# Allegro board A523-EVB-AXP717C-LPDDR4-4X-32X1-V1-0.brd (continued)
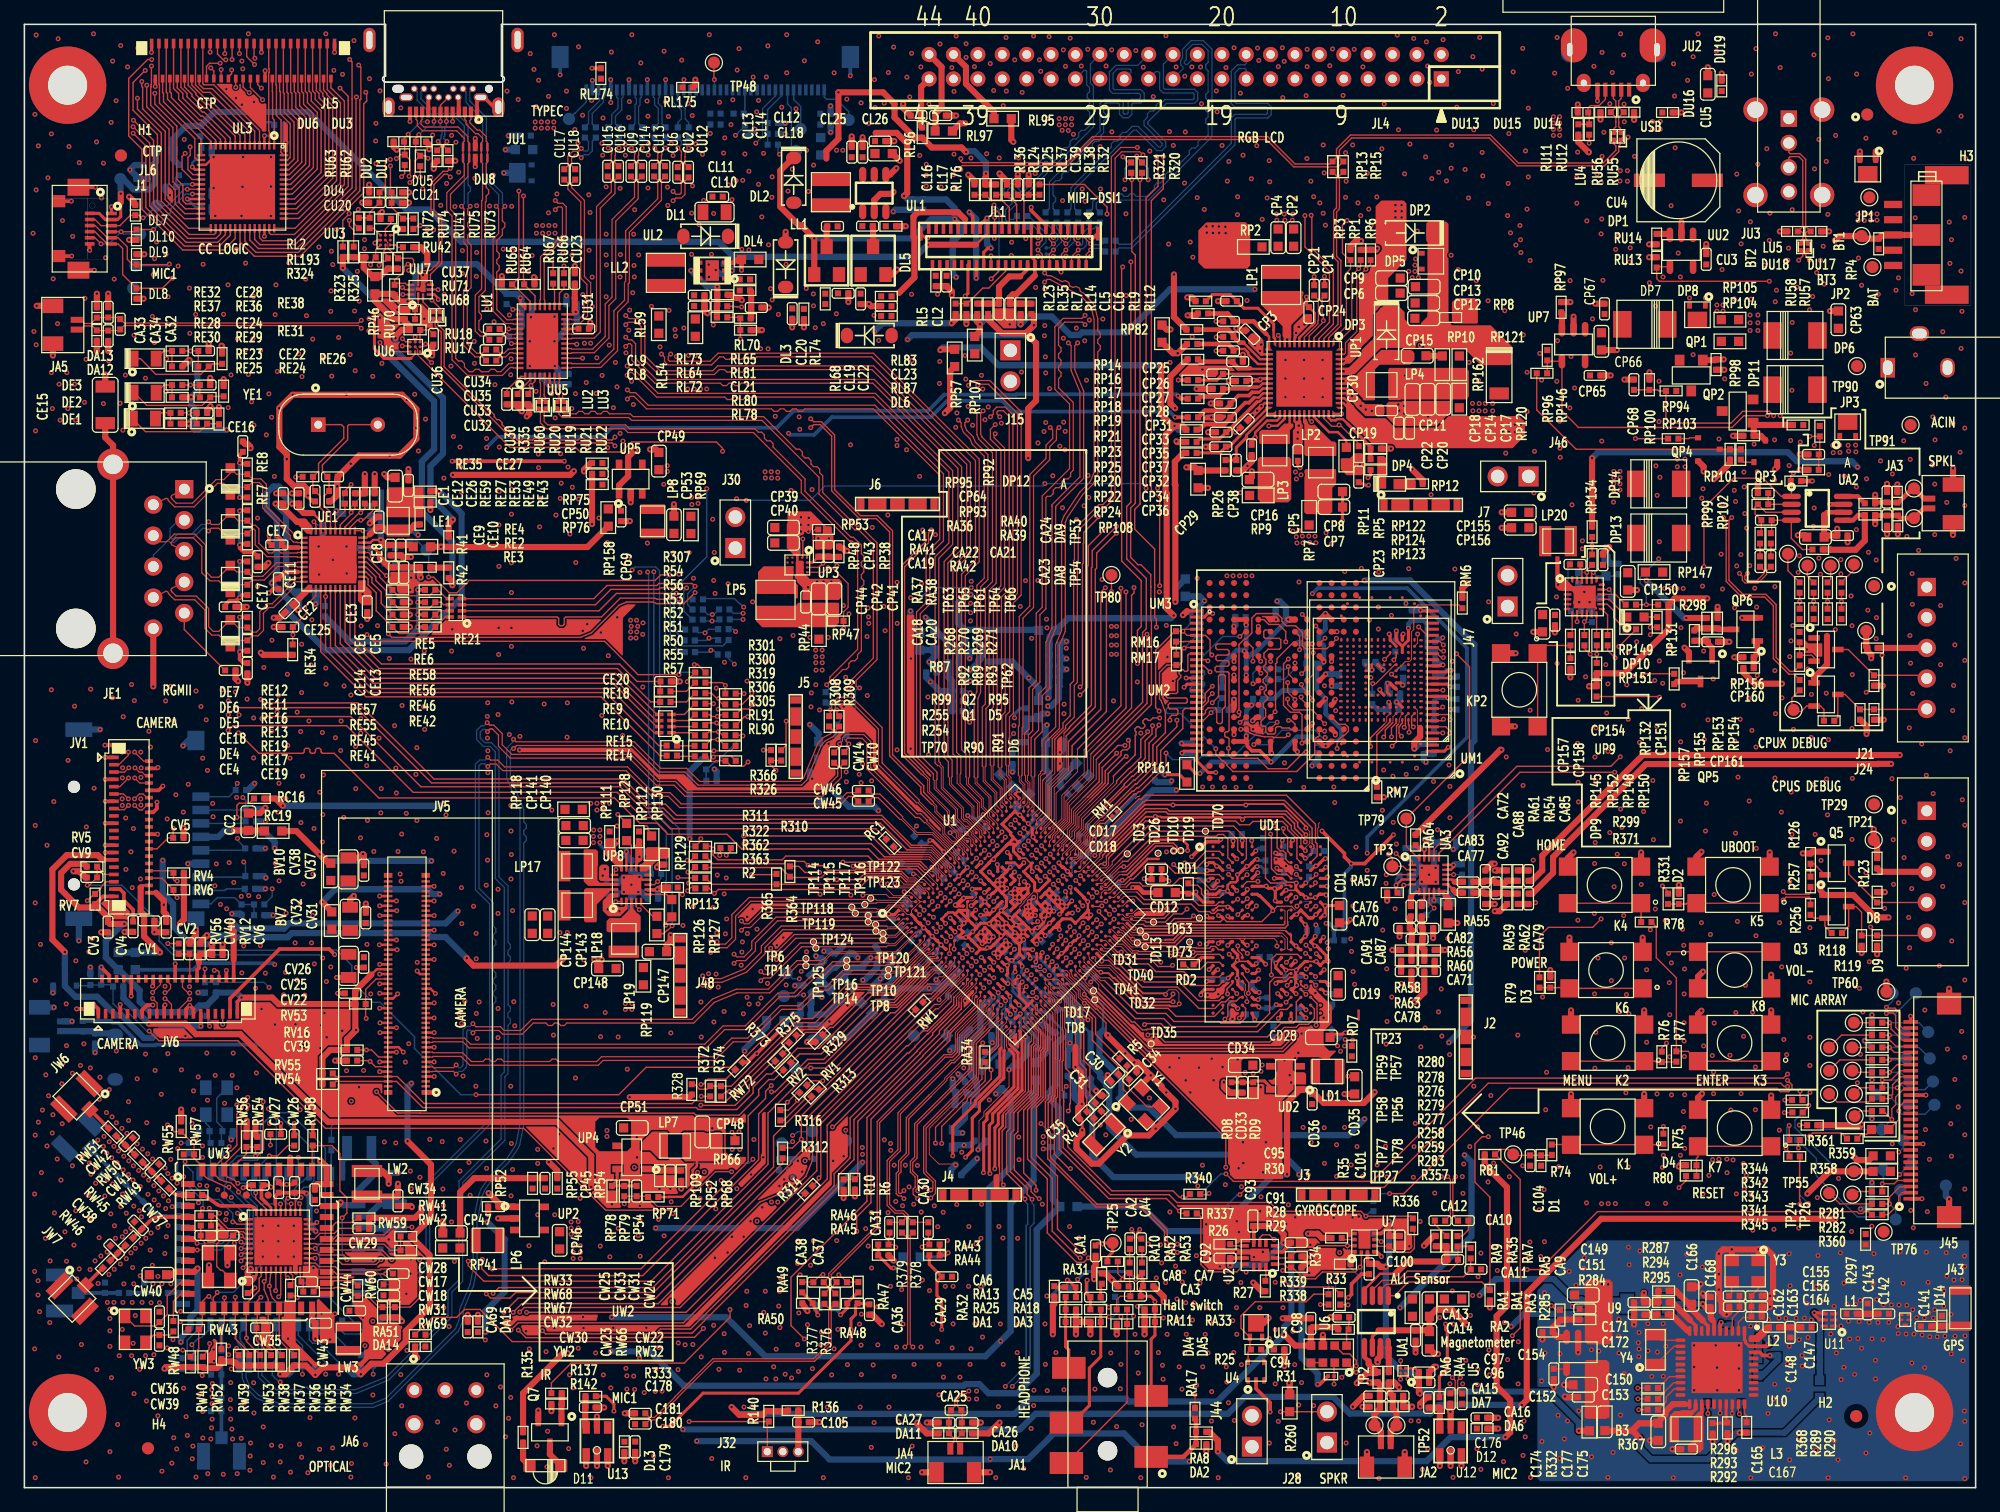
[diagram p0: board, top side]
## Routing (per net, layer and track width the routed paths; a pad name or vN(x,y) marks a point on that pad's centre or on a via; arc(x,y) is an arc through that point) (continued)
MDC: length 37
  TOP w0.114: UE1.13 24.3,68.56 28.01,64.85 47.29,64.85 52.11,60.03 RE14.2
MDI0+: length 17.5
  TOP w0.102: JE1.1 12.07,81.36 12.02,81.23 12.09,81.09 12.44,80.74 13.78,80.74 15.71,82.67 16.35,82.67 16.89,83.21 DE7.1 17.4,83.11 RE8.1 18.66,82.73 19.39,82.73 19.84,82.28 19.84,80.46 22.09,78.21 22.09,77.95 22.2,77.85 22.35,77.85 22.4,77.9 UE1.1
MDI0-: length 17.9
  TOP w0.102: JE1.2 11.61,81.14 11.75,81.09 11.81,80.96 11.81,80.94 12.32,80.43 13.91,80.43 15.84,82.36 16.34,82.36 16.89,81.82 DE7.2 17.52,82.05 RE7.1 18.66,82.43 19.26,82.43 19.54,82.15 19.54,80.34 21.79,78.09 21.79,77.82 22.07,77.54 22.35,77.54 22.4,77.5 UE1.2
MDI1+: length 16.5
  TOP w0.102: v1(15.1,79.21) 15.33,78.99 15.94,78.99 DE6.1 17.52,79.3 RE12.1 18.66,78.92 18.94,78.92 19.23,78.63 19.23,77.44 20.03,76.65 20.33,76.65 20.53,76.85 20.84,76.85 21.04,76.65 22.35,76.65 22.4,76.7 UE1.4
  BOTTOM w0.102: v1(15.1,79.21) 14.88,78.99 14.5,78.99 13.71,78.2 12.57,78.2 12.17,77.8 12.09,77.8 11.94,77.94 11.94,78.64 12.64,79.34 JE1.3
MDI1-: length 16.9
  TOP w0.102: v1(15.1,78.45) 15.33,78.68 15.94,78.68 DE6.2 17.4,78.24 RE11.1 18.66,78.62 18.81,78.62 18.93,78.5 18.93,77.32 19.9,76.34 22.35,76.34 22.4,76.3 UE1.5
  BOTTOM w0.102: JE1.6 10.57,76.47 11.73,77.63 11.83,77.63 11.96,77.5 12.3,77.5 12.7,77.89 13.84,77.89 14.63,78.68 14.88,78.68 v1(15.1,78.45)
MDI2+: length 16.8
  TOP w0.102: UE1.6 22.4,75.9 22.35,75.85 20.66,75.85 19.54,74.73 18.66,74.73 RE16.1 17.4,75.11 DE5.1 15.94,74.67 15.34,74.67 14.86,75.15 14.86,77.31 13.97,78.2 12.28,78.2 11.65,77.57 11.08,77.57 JE1.4
MDI2-: length 16.4
  TOP w0.102: UE1.7 22.4,75.5 22.35,75.54 20.79,75.54 19.67,74.43 18.66,74.43 RE13.1 17.52,74.05 DE5.2 15.94,74.36 15.21,74.36 14.55,75.02 14.55,77.18 13.84,77.89 12.41,77.89 12.01,77.49 12.01,77.49 12.07,77.33 JE1.5
MDI3+: length 18.3
  TOP w0.102: JE1.7 12.07,73.74 12.02,73.61 12.09,73.47 12.44,73.12 14.09,73.12 15.11,72.1 15.11,70.6 15.48,70.22 15.94,70.22 DE4.1 17.52,70.53 RE19.1 18.66,70.16 19.03,70.16 19.3,70.43 19.3,71.85 19.94,72.48 20.31,72.48 21.59,73.76 21.59,74.17 22.01,74.6 22.82,74.6 UE1.9
MDI3-: length 18.5
  TOP w0.102: UE1.10 22.14,74.3 21.89,74.05 21.89,73.63 20.44,72.18 20.06,72.18 19.6,71.72 19.6,70.3 19.16,69.85 18.66,69.85 RE17.1 17.4,69.48 DE4.2 15.94,69.92 15.36,69.92 14.8,70.47 14.8,71.98 13.97,72.81 12.32,72.81 11.81,73.32 11.81,73.34 11.75,73.47 11.61,73.52 JE1.8
MDIO: length 37
  TOP w0.114: UE1.14 v1(24.7,73.08) 24.7,68.73 28.23,65.2 47.66,65.2 52.01,60.86 RE15.2
  BOTTOM w0.114: RE39.2 24.64,72.29 24.64,73.02 v1(24.7,73.08)
MIC1N-MIC: length 137.9
  TOP w0.102: JA5.2 4.65,94.97 4.95,95.27 5.57,95.27 DA12.2 5.95,94.89 CA34.1 7.77,94.89 CA32.2 8.18,95.31 27.39,95.31 v1(27.62,95.08) ; v1(65.48,17.48) 65.32,17.48 CA38.2 64.68,16.86 RA49.2
  L3 w0.102: v1(65.48,17.48) 65.84,17.48 65.96,17.6 65.96,17.86 65.86,17.96 65.01,17.96 63.52,16.47 43.92,16.47 39.21,21.18 39.21,68.14 39.38,68.31 39.38,86.15 34.2,91.33 34.2,93.35 32.26,95.3 27.84,95.3 v1(27.62,95.08)
MIC1P-MIC: length 138.3
  TOP w0.102: v1(66.78,17.45) 66.84,17.45 CA37.2 67.46,16.86 RA47.2 ; v1(27.62,95.73) 27.39,95.51 8.18,95.51 CA32.1 7.73,95.96 CA33.2 5.96,95.96 DA13.2 5.47,95.47 4.94,95.47 4.64,95.77 JA5.1
  L3 w0.102: v1(66.78,17.45) 66.32,17.45 66.17,17.6 66.17,17.94 65.95,18.16 64.92,18.16 63.44,16.68 44,16.68 39.41,21.27 39.41,68.06 39.58,68.23 39.58,86.23 34.4,91.41 34.4,93.44 32.34,95.5 27.85,95.5 v1(27.62,95.73)
MIC2N-MIC: length 23.5
  TOP w0.102: CA31.2 70.94,20.51 70.86,20.43 RA46.2 71.25,19.92 v1(71.45,19.71) ; JA4.2 76.73,3.48 76.43,3.78 76.43,4.01 DA10.2 CA26.1 76.91,5.38 76.91,6.27 CA25.2 76.5,6.67 76.5,7.24 76.76,7.49 77.22,7.49 v1(77.44,7.27)
  L4 w0.102: v1(77.44,7.27) 77.22,7.49 76,7.49 73.93,9.56 73.93,13.03 72.42,14.55 72.42,19.57 72.27,19.71 v1(71.45,19.71)
MIC2P-MIC: length 23.5
  TOP w0.102: v1(73.61,19.74) 73.81,19.94 RA43.2 74.2,20.24 74.12,20.32 74.12,20.51 74.12,20.51 CA30.2 ; JA4.1 75.93,3.46 76.23,3.76 76.23,4.03 DA11.2 CA27.2 75.81,6.18 CA25.1 76.3,6.67 76.3,7.32 76.67,7.7 77.22,7.7 v1(77.44,7.92)
  L4 w0.102: v1(77.44,7.92) 77.22,7.7 76.08,7.7 74.14,9.64 74.14,13.11 72.62,14.63 72.62,19.59 72.76,19.74 v1(73.61,19.74)
MIC-GND-SEL: length 57.9
  TOP w0.076: UU6.B2 32.24,93.36 32.24,92.89 32.49,92.64
  TOP w0.114: 32.49,92.64 39.83,85.31 45.2,85.31 45.57,84.93 48.96,84.93 49.78,85.75 56.74,85.75 57.25,85.24 v1(57.25,84.99) ; v1(60.59,60.49) R366.2
  L4 w0.114: v1(60.59,60.49) 59.63,61.45 59.63,62.01 58.65,62.99 58.65,64.96 58.64,64.97 58.64,65.27 58.65,65.28 58.65,65.79 55.45,68.99 55.45,70.25 56.01,70.81 56.01,79.94 57.25,81.18 v1(57.25,84.99)
MICIN1N: length 30
  TOP w0.076: U1.AA1 78.33,39.85 78.33,39.32 76.33,37.32 76.33,35.84 76.29,35.8 76.29,35.79
  TOP w0.102: R377.2 65.96,16.27 65.96,16.42 CA38.1 65.96,17.26 65.96,17.55 69.93,21.52 69.93,30.02 75.41,35.51 76.02,35.51 76.29,35.79
MICIN1N-1: length 21.1
  TOP w0.102: C181.1 51.26,5.75 51.67,5.75 53.37,7.45 53.37,7.48 56.46,10.57 64.71,10.57 65.95,11.81 65.95,14.73 R377.1
MICIN1P: length 30.4
  TOP w0.076: 76.48,35.68 76.51,35.72 76.51,37.25 78.51,39.24 78.51,39.67 78.75,39.92 U1.AA2
  TOP w0.102: 76.48,35.68 76.1,35.31 75.5,35.31 70.13,29.94 70.13,21.44 66.16,17.47 66.16,17.28 CA37.1 66.17,16.41 66.17,16.25 R376.2
MICIN1P-1: length 21.4
  TOP w0.102: R376.1 66.15,14.73 66.15,11.72 64.8,10.36 56.54,10.36 53.57,7.39 53.57,7.37 51.75,5.55 51.26,5.55 C180.1
MICIN2N: length 23.4
  TOP w0.076: 76.68,36.26 76.68,36.35 76.69,36.36 76.69,37.14 78.68,39.13 78.68,39.39 78.75,39.46 U1.AB1
  TOP w0.102: CA31.1 R379.2 72.2,22 72.2,22.34 72.03,22.5 71.38,22.5 70.74,23.15 70.74,26.83 71.63,27.72 71.63,30.73 75.95,35.05 76.18,35.05 76.68,35.55 76.68,36.26
MICIN2N-1: length 58.6
  TOP w0.102: v1(72.2,11.53) 72.43,11.76 72.43,20.44 R379.1 ; v1(117.1,9.02) 117.32,8.8 117.32,8.13 C177.1
  L3 w0.102: v1(72.2,11.53) 72.44,11.29 72.44,10.9 72.87,10.47 108.52,10.47 109.17,11.13 113.19,11.13 114.05,10.27 116.73,10.27 117.3,9.7 117.3,9.22 v1(117.1,9.02)
MICIN2P: length 24.1
  TOP w0.076: U1.AB2 79.11,39.56 78.86,39.31 78.86,39.06 76.87,37.07 76.87,36.27 76.88,36.26
  TOP w0.102: 76.88,36.26 76.88,35.46 76.27,34.85 76.03,34.85 71.83,30.65 71.83,27.64 70.94,26.75 70.94,23.23 71.47,22.71 72.11,22.71 72.47,22.35 72.47,22.14 R378.2 CA30.1
MICIN2P-1: length 58.5
  TOP w0.102: C175.1 117.53,8.09 117.53,8.8 v1(117.75,9.02) ; v1(72.85,11.53) 72.63,11.75 72.63,20.7 R378.1
  L3 w0.102: v1(117.75,9.02) 117.5,9.27 117.5,9.79 116.82,10.47 114.13,10.47 113.28,11.33 109.08,11.33 108.43,10.68 72.96,10.68 72.64,10.99 72.64,11.32 v1(72.85,11.53)
MICIN3N: length 41.6
  TOP w0.076: U1.AC1 79.01,39.12 79.01,38.89 77.24,37.12 77.08,36.96 77.08,35.21 75.46,33.59 75.46,33.47 74.22,32.22 74.2,32.22 74.19,32.21
  TOP w0.102: v1(91.45,21.17) 91.22,20.95 91.22,20.56 91.37,20.42 CA4.1 ; 74.19,32.21 72.31,30.34 72.31,27.43 71.68,26.8 71.68,25.97 71.48,25.77 71.48,24.11 71.67,23.92 71.9,23.92 v1(72.12,23.7)
  L3 w0.102: v1(91.45,21.17) 91.22,20.95 91.22,20.76 91,20.54 89,20.54 88.71,20.84 74.51,20.84 72.36,22.98 72.36,23.6 72.26,23.7 v1(72.12,23.7)
MICIN3P: length 41.6
  TOP w0.076: 74.33,32.07 74.35,32.08 74.35,32.1 75.64,33.39 75.64,33.52 77.26,35.13 77.26,36.89 79.19,38.82 79.19,38.94 79.46,39.21 U1.AC2
  TOP w0.102: 74.33,32.07 72.52,30.25 72.52,27.35 71.88,26.71 71.88,25.88 71.69,25.69 71.69,24.19 71.75,24.13 71.89,24.13 v1(72.12,24.36) ; CA2.1 90.88,20.42 91.02,20.56 91.02,20.95 v1(90.79,21.17)
  L3 w0.102: v1(90.79,21.17) 91.02,20.95 91.02,20.85 90.92,20.74 89.09,20.74 88.79,21.04 74.6,21.04 72.57,23.07 72.57,23.91 v1(72.12,24.36)
MIPI-DSI1-CKN: length 52.5
  TOP w0.076: 82.85,58.38 82.85,58.36 82.78,58.29 82.78,55.62 U1.E29
  TOP w0.102: v1(85.39,102.01) 84.96,102.44 JL1.9 ; 82.85,58.38 82.85,61.38 83.46,61.99 83.46,64.95 84.07,65.55 84.07,69.27 84.56,70.47 84.56,80.35 84.57,80.35 84.57,80.48 86.86,82.77 86.86,89.93 86.13,91.68 86.13,93.65 v1(86.36,93.88)
  L4 w0.102: v1(86.36,93.88) 86.13,94.12 86.13,94.45 85.55,95.84 85.55,97.87 86.03,98.35 86.03,101.37 v1(85.39,102.01)
  BOTTOM w0.102: RL29.1 85.78,103.49 85.78,102.31 85.47,102.01 v1(85.39,102.01)
MIPI-DSI1-CKP: length 53
  TOP w0.076: U1.E28 82.29,55.47 82.39,55.58 82.39,55.58 82.63,55.81 82.63,58.29 82.54,58.38
  TOP w0.102: JL1.8 85.26,100.62 85.04,100.84 85.04,101.14 v1(85.39,101.5) ; v1(85.61,93.88) 85.83,93.66 85.83,91.62 86.55,89.87 86.55,82.89 84.26,80.6 84.26,80.48 84.26,80.47 84.26,70.54 83.76,69.33 83.76,65.68 83.16,65.08 83.16,62.12 82.54,61.5 82.54,58.38
  L4 w0.102: v1(85.39,101.5) 85.51,101.5 85.75,101.26 85.75,98.46 85.27,97.98 85.27,95.79 85.85,94.39 85.85,94.12 v1(85.61,93.88)
  BOTTOM w0.102: v1(85.39,101.5) 86.08,102.18 86.08,103.41 RL28.1
MIPI-DSI1-DN0: length 51.9
  TOP w0.076: U1.C29 82.04,56.28 82.04,57.66 81.73,57.96 81.73,58.35 81.81,58.43
  TOP w0.102: 81.81,58.43 81.81,62.3 81.88,62.37 81.88,71.32 82.75,72.18 82.75,82.96 84.07,84.29 84.07,85.37 84.63,85.92 84.63,86.73 v1(84.83,86.94) ; JL1.3 86.76,102.67 v1(87.43,102.01)
  L4 w0.102: v1(87.43,102.01) 88.06,101.37 88.06,94.27 85.37,91.57 85.37,89.69 84.63,88.95 84.63,87.18 84.83,86.97 v1(84.83,86.94)
  BOTTOM w0.102: RL22.1 88.3,101.93 87.5,101.93 v1(87.43,102.01)
MIPI-DSI1-DN1: length 56.5
  TOP w0.076: 82.32,58.45 82.32,58.44 82.25,58.37 82.25,58 82.45,57.8 82.45,56.05 82.29,55.89 U1.D29
  TOP w0.102: 82.32,58.45 82.32,61.72 82.68,62.08 82.68,65.46 83.27,66.05 83.27,71.58 83.76,72.07 83.76,74.11 83.76,74.11 83.76,74.66 83.76,74.67 83.76,81.2 83.86,81.3 84.14,81.3 84.36,81.51 84.36,81.79 84.57,82.01 84.86,82.01 85.07,82.23 85.07,82.51 85.29,82.72 85.57,82.72 85.79,82.94 85.79,83.22 86,83.44 86,89 84.8,90.2 84.8,90.95 85,91.15 85,91.46 84.8,91.66 84.8,91.96 85,92.16 85,92.47 84.8,92.67 84.8,92.97 85,93.17 85,93.48 84.8,93.68 84.8,95.08 85.31,95.59 86.76,95.59 v1(86.97,95.38) ; v1(86.41,101.5) 85.99,101.08 85.86,100.76 JL1.6
  L4 w0.102: v1(86.41,101.5) 86.52,101.5 86.77,101.26 86.77,97.71 86.54,97.48 86.19,96.64 86.19,95.87 86.45,95.6 86.75,95.6 v1(86.97,95.38)
  BOTTOM w0.102: v1(86.41,101.5) 86.51,101.6 86.81,101.6 87.09,101.88 87.09,102.74 87.6,103.25 87.7,103.25 88.19,103.74 RL27.1
MIPI-DSI1-DN2: length 55.7
  TOP w0.102: JL1.12 84.06,100.81 84.02,100.84 84.02,101.14 v1(84.38,101.5) ; U1.E25 81.21,54.06 v1(80.89,54.39)
  L4 w0.102: v1(80.89,54.39) 80.89,58.04 81.64,58.79 81.64,62.22 81.54,62.31 81.54,71.61 82.06,72.13 82.06,72.97 81.39,73.65 81.39,81.32 83.8,83.73 83.8,85.49 82.91,86.39 82.91,89.88 84.15,91.13 84.15,95.22 84.38,95.45 84.38,96.32 84.2,96.5 84.2,96.8 84.38,96.98 84.38,97.28 84.2,97.46 84.2,97.76 84.38,97.94 84.38,100.41 84.71,100.74 84.71,101.17 v1(84.38,101.5)
  BOTTOM w0.102: TP72.1 84.05,101.17 v1(84.38,101.5) 85.04,102.16 85.04,102.88 84.63,103.28 RL31.1
MIPI-DSI1-DN3: length 56.8
  TOP w0.076: U1.F28 82.64,55.12 83.16,55.63 83.16,58.41 83.32,58.57 83.32,58.68 83.34,58.69
  TOP w0.102: v1(83.11,102.01) 83.46,102.36 83.46,102.66 83.16,102.97 JL1.15 ; v1(83.65,98.86) 83.88,99.09 84.09,99.09 86.67,97.71 87.38,96.93 87.48,96.73 87.71,95.82 87.71,83.26 87.39,82.49 86.55,81.65 85.26,79.71 85.05,79.21 85.05,70.29 84.56,69.12 84.56,62.39 83.45,61.27 83.45,58.8 83.34,58.69
  L4 w0.102: v1(83.65,98.86) 83.42,99.1 83.15,99.1 82.74,99.38 82.42,100.15 82.42,101.64 82.69,101.9 83.01,101.9 v1(83.11,102.01)
  BOTTOM w0.102: RL34.1 82.45,103.61 82.59,103.61 83.46,102.74 83.46,102.29 83.19,102.01 v1(83.11,102.01)
MIPI-DSI1-DP0: length 51.7
  TOP w0.076: 81.51,58.43 81.51,58.42 81.58,58.35 81.58,57.9 81.88,57.59 81.88,56.48 81.69,56.29 81.69,55.93 U1.C28
  TOP w0.102: v1(87.43,101.5) 87.06,101.13 JL1.2 ; 81.51,58.43 81.51,62.43 81.58,62.5 81.58,71.44 82.44,72.31 82.44,83.09 83.77,84.41 83.77,85.5 84.32,86.05 84.32,86.73 v1(84.11,86.94)
  L4 w0.102: v1(87.43,101.5) 87.78,101.14 87.78,94.38 86.4,93 86.15,93 85.94,92.79 85.94,92.54 85.09,91.69 85.09,89.8 84.35,89.06 84.35,87.18 v1(84.11,86.94)
  BOTTOM w0.102: v1(87.43,101.5) 87.55,101.63 88.37,101.63 RL21.1
MIPI-DSI1-DP1: length 55.8
  TOP w0.076: 82.01,58.45 82.09,58.37 82.09,57.94 82.29,57.74 82.29,56.19 81.94,55.83 U1.D28
  TOP w0.102: v1(86.97,96.14) 86.73,95.89 85.18,95.89 84.5,95.2 84.5,90.07 85.7,88.87 85.7,83.57 83.46,81.32 83.46,74.54 83.46,74.54 83.46,74.24 83.46,74.24 83.46,72.2 82.97,71.71 82.97,66.18 82.37,65.58 82.37,62.2 82.01,61.84 82.01,58.45 ; JL1.5 86.16,102.77 86.06,102.66 86.06,102.36 v1(86.41,102.01)
  L4 w0.102: v1(86.41,102.01) 87.05,101.37 87.05,97.59 86.77,97.32 86.47,96.59 86.47,95.98 86.57,95.88 86.71,95.88 v1(86.97,96.14)
  BOTTOM w0.102: v1(86.41,102.01) 86.51,101.9 86.68,101.9 86.78,102.01 86.78,102.86 87.3,103.38 RL26.1
MIPI-DSI1-DP2: length 55.5
  TOP w0.102: v1(81.24,54.75) U1.E26 ; JL1.11 84.36,103 84.02,102.66 84.02,102.36 v1(84.38,102.01)
  L4 w0.102: v1(84.38,102.01) 84.99,101.4 84.99,100.63 84.66,100.3 84.66,95.33 84.43,95.11 84.43,91.01 83.19,89.77 83.19,86.5 84.08,85.61 84.08,83.61 81.67,81.21 81.67,73.76 82.34,73.09 82.34,72.02 81.82,71.5 81.82,62.43 81.92,62.34 81.92,58.67 81.17,57.93 81.17,54.83 v1(81.24,54.75)
  BOTTOM w0.102: RL30.1 84.73,102.75 84.73,102.36 v1(84.38,102.01) 84.05,101.68 TP71.1
MIPI-DSI1-DP3: length 57.7
  TOP w0.076: U1.F29 83.31,55.44 83.31,58.34 83.5,58.53 83.6,58.53
  TOP w0.102: JL1.14 83.46,100.84 83.46,100.84 83.46,101.14 v1(83.11,101.5) ; v1(83.65,99.62) 83.89,99.39 84.17,99.39 85.08,98.9 85.35,98.98 85.62,98.84 85.7,98.57 85.97,98.43 86.24,98.51 86.51,98.36 86.6,98.09 86.86,97.95 87.63,97.11 87.77,96.84 88.02,95.86 88.02,94.86 88.22,94.66 88.22,94.36 88.02,94.15 88.02,93.85 88.22,93.65 88.22,93.34 88.02,93.14 88.02,83.2 87.65,82.32 86.79,81.46 85.53,79.57 85.35,79.15 85.35,70.23 84.87,69.06 84.87,62.26 83.75,61.15 83.75,58.67 83.6,58.53
  L4 w0.102: v1(83.11,101.5) 82.98,101.63 82.8,101.63 82.7,101.52 82.7,100.2 82.97,99.56 83.23,99.38 83.42,99.38 v1(83.65,99.62)
  BOTTOM w0.102: RL33.1 82.35,104.29 83.77,102.87 83.77,102.16 v1(83.11,101.5)
NALE: length 49
  TOP w0.076: U1.T27 85.83,51.23 86.13,51.54 86.34,51.54 86.59,51.78 86.59,52.26 87.19,52.86 87.19,53.43 87.81,54.05 87.81,54.31 88.21,54.71 88.41,54.71
  TOP w0.102: UM1.U5 112.38,67.49 110.82,65.94 v1(110.56,65.94)
  TOP w0.114: v1(97.41,65.12) 97.08,64.79 97.08,64.48 96.5,63.9 UM3.17 95.17,63.9 94.99,63.71 94.99,62.26 93.17,60.44 93.17,59.2 91.36,57.4 91.23,57.4 90.95,57.11 90.82,57.11 88.41,54.71 ; UM2.G5 104.69,64.69 v1(104.69,64.85) ; UM2.L9 101.18,67.95 v1(101.37,67.77)
  L4 w0.114: v1(110.56,65.94) 110.25,65.94 109.84,66.35 109.26,66.35 109.15,66.24 109.15,65.61 109.03,65.5 108.8,65.5 108.69,65.61 108.69,66.24 108.58,66.35 108.35,66.35 108.23,66.24 108.23,65.61 108.12,65.5 107.89,65.5 107.77,65.61 107.77,66.24 107.66,66.35 106.09,66.35 104.69,64.95 v1(104.69,64.85) ; v1(104.69,64.85) 104.51,65.03 102.95,65.03 101.64,66.34 101.32,66.34 101.24,66.42 101.24,66.42 101.03,66.63 101.03,66.64 101,66.66 101,67.4 v1(101.37,67.77) ; v1(104.69,64.85) 104.69,64.66 104.14,64.11 102.4,64.11 101.52,64.99 100.22,64.99 99.42,65.79 98.08,65.79 v1(97.41,65.12)
  BOTTOM w0.114: v1(110.56,65.94) 110.52,65.89 RM8.1
NCE0: length 35.2
  TOP w0.114: UM3.9 96.95,67.9 v1(97.04,67.8) ; U1.N24 83.39,51.19 v1(83.39,51.23) ; v1(104.73,66.75) 105.17,67.19 UM2.K5
  L4 w0.076: 85.39,54.15 85.39,53.92 83.39,51.93 v1(83.39,51.23)
  L4 w0.114: 97.03,67.81 v1(97.04,67.8) ; 97.03,67.81 96.95,67.9 94.28,67.9 86.78,60.4 86.78,56.39 85.39,55 85.39,54.15 ; 97.03,67.81 97.03,68.42 97.23,68.62 99.25,68.62 99.64,68.24 102.21,68.24 103.69,66.75 v1(104.73,66.75)
NCE1: length 31.3
  TOP w0.102: v1(101.44,65.57) 101.18,65.32 UM2.H9
  TOP w0.114: v1(97.22,66.9) 96.72,67.4 UM3.10 ; v1(83.76,51.59) 83.76,51.53 U1.N25
  L4 w0.076: v1(83.76,51.59) 83.76,52.04 85.71,53.99 85.71,54.15
  L4 w0.114: 85.71,54.15 85.71,54.86 87.1,56.25 87.1,60.19 94.12,67.21 96.91,67.21 v1(97.22,66.9) 97.83,66.29 99.73,66.29 100.47,65.54 101.41,65.54 v1(101.44,65.57)
  BOTTOM w0.114: v1(101.44,65.57) 101.64,65.57 101.96,65.89 RM2.1
NCLE: length 38.3
  TOP w0.114: UM2.G6 v1(104.18,64.63) 103.58,65.24 v1(103.58,66.03) ; v1(102.18,67.75) UM2.L8 ; UM3.16 96.7,64.4 96.82,64.52 96.82,65.14 v1(97.41,65.72) ; U1.N26 84.12,51.88 v1(84.12,51.95)
  L4 w0.076: 86.02,54.15 86.02,53.86 v1(84.12,51.95)
  L4 w0.114: v1(102.18,67.75) 102.18,67.41 103.25,66.34 103.26,66.34 v1(103.58,66.03) ; 86.02,54.15 86.02,54.72 87.43,56.12 87.43,60 94.32,66.89 96.72,66.89 97.41,66.2 v1(97.41,65.72) 97.71,66.02 99.55,66.02 100.36,65.21 101.75,65.21 102.66,64.3 103.73,64.3 104.06,64.63 v1(104.18,64.63)
NDQ0: length 68.9
  TOP w0.076: 111.48,62.59 111.71,62.82 111.71,63.22 UM1.J6 ; 86.82,56.59 85.86,55.63 85.86,54.54 85.19,53.87 85.19,53.43 84.41,52.65 U1.M27
  TOP w0.114: UM2.F3 107.77,62.6 108.31,62.6 108.57,62.35 108.57,62.03 108.21,61.67 108.1,61.67 107.64,61.21 v1(107.64,60.62) ; 86.82,56.59 88.13,57.89 88.13,59.32 89.67,60.87 v1(90.24,60.87) ; UM2.M11 97.8,69.19 97.69,69.08 97.69,68.85 97.8,68.73 98.67,68.73 98.78,68.62 98.78,68.39 98.67,68.28 97.82,68.28 97.7,68.16 97.7,67.93 97.82,67.82 98.67,67.82 98.78,67.7 98.78,67.48 98.67,67.36 97.75,67.36 97.64,67.25 97.64,67.02 97.75,66.9 98.67,66.9 98.78,66.79 98.78,62.1 98.67,61.98 98.54,61.98 98.42,61.87 98.42,61.64 98.54,61.53 98.67,61.53 98.78,61.41 98.78,60.68 v1(98.73,60.63) 98.73,60.1 99.03,59.81 101.13,59.81 101.98,58.96 103.55,58.96 104.94,60.34 v1(105.1,60.34) ; UM3.29 116.55,62.4 116.87,62.08 v1(116.87,61.87) ; v1(110.39,60.78) 110.39,61.5 111.48,62.59
  L4 w0.114: v1(116.87,61.87) 116.83,61.87 115.2,60.24 110.93,60.24 v1(110.39,60.78) 107.81,60.78 v1(107.64,60.62) 107.52,60.5 105.26,60.5 v1(105.1,60.34) ; v1(90.24,60.87) 90.25,60.86 90.25,60.65 90.5,60.4 91.09,60.4 91.2,60.52 91.2,61.02 91.32,61.14 91.54,61.14 91.66,61.02 91.66,60.76 91.77,60.65 92,60.65 92.12,60.76 92.12,61.02 92.23,61.14 92.46,61.14 92.57,61.02 92.57,60.76 92.69,60.65 92.92,60.65 93.03,60.76 93.03,61.02 93.15,61.14 93.37,61.14 93.49,61.02 93.49,60.76 93.6,60.65 95.16,60.65 95.28,60.53 95.28,59.87 95.36,59.78 96.56,59.78 96.68,59.89 96.68,60.13 96.79,60.25 98.35,60.25 v1(98.73,60.63)
NDQ1: length 58
  TOP w0.076: 87.19,56.63 86.01,55.45 86.01,54.47 85.52,53.98 85.52,53.48 84.76,52.73 U1.M28
  TOP w0.114: v1(112.1,61.57) 112.1,62.31 112.49,62.7 UM1.H5 ; 87.19,56.63 87.19,56.63 88.37,57.81 88.37,59.03 v1(89.56,60.22) ; UM2.M10 100.42,69.19 100.74,68.87 v1(100.74,67.77) ; UM3.30 116.24,62.9 116.36,63.01 v1(116.36,63.01) ; v1(103.58,64.67) 103.58,64.25 104.05,63.78 105.59,63.78 UM2.F4 106.18,63.09 v1(106.62,62.65)
  L4 w0.114: v1(100.74,67.77) 100.68,67.71 100.68,66.53 100.71,66.51 100.71,66.5 101.14,66.07 101.51,66.07 102.91,64.67 v1(103.58,64.67) ; v1(116.36,63.01) 116.28,63.01 116.24,63.05 115.82,63.05 114.02,61.25 112.75,61.25 112.43,61.57 v1(112.1,61.57) 111.54,62.13 110.17,62.13 110.06,62.24 110.06,62.7 109.95,62.82 109.72,62.82 109.6,62.7 109.6,62.24 109.49,62.13 109.26,62.13 109.15,62.24 109.15,62.7 109.03,62.82 108.8,62.82 108.69,62.7 108.69,62.24 108.57,62.13 108.35,62.13 108.23,62.24 108.23,62.6 108.12,62.71 106.68,62.71 v1(106.62,62.65) 106.27,62.31 106.27,61.03 105.96,60.72 101.73,60.72 100.13,59.12 100.11,59.12 100.07,59.07 94.74,59.07 94.62,58.96 94.62,58.44 94.51,58.32 94.28,58.32 94.16,58.44 94.16,58.96 94.05,59.07 89.96,59.07 89.56,59.48 v1(89.56,60.22)
NDQ2: length 70.7
  TOP w0.076: U1.N27 84.76,52.29 85.07,52.6 85.07,52.81 85.7,53.45 85.7,53.88 86.17,54.34 86.17,55.34 87.42,56.59 ; UM1.J5 112.22,63.22 112.22,62.76 112.14,62.69
  TOP w0.114: UM3.31 116.79,63.4 116.9,63.28 v1(116.9,62.99) ; v1(111.46,61.55) 111.59,61.68 111.59,62.13 112.14,62.69 ; 87.42,56.59 88.62,57.79 88.62,58.77 89.92,60.07 89.92,60.37 90.06,60.5 90.43,60.5 90.62,60.7 90.62,61.18 90.53,61.28 v1(90.53,61.29) ; v1(99.67,69.8) 100.06,70.19 UM2.N10 ; v1(97.69,60.6) 97.69,60.14 98.24,59.59 98.32,59.59 98.6,59.32 98.6,59.23 99.11,58.73 104.33,58.73 105.8,60.2 105.8,61.35 106.02,61.57 106.1,61.57 106.18,61.66 UM2.E4 106.34,62.04 v1(106.61,62.04)
  L4 w0.114: v1(106.61,62.04) 107.29,62.04 107.31,62.06 108.14,62.06 108.35,61.86 111.15,61.86 v1(111.46,61.55) 111.8,61.21 112.42,61.21 112.64,60.99 114.47,60.99 116.09,62.6 116.51,62.6 v1(116.9,62.99) ; v1(97.69,60.6) 97.92,60.82 97.92,61.34 97.8,61.46 90.7,61.46 v1(90.53,61.29)
  BOTTOM w0.114: v1(97.69,60.6) 94.81,63.48 93.74,63.48 93.62,63.6 93.62,63.82 93.74,63.94 95.97,63.94 96.09,64.05 96.09,64.63 96.2,64.75 96.66,64.75 96.77,64.86 96.77,65.09 96.66,65.2 95.67,65.2 95.55,65.32 95.55,65.55 95.67,65.66 96.66,65.66 96.77,65.77 96.77,66 96.66,66.12 95.77,66.12 95.66,66.23 95.66,66.46 95.77,66.57 96.66,66.57 96.77,66.69 96.77,66.92 96.66,67.03 96.2,67.03 96.09,67.15 96.09,67.64 98.25,69.8 v1(99.67,69.8)
NDQ3: length 59.3
  TOP w0.076: U1.N28 85.22,52.4 85.22,52.75 85.9,53.43 85.9,53.79 86.32,54.22 86.32,55.2 87.36,56.24
  TOP w0.114: UM2.D5 104.9,61.19 v1(104.76,61.05) 104.76,63.39 104.56,63.59 103.8,63.59 103.25,64.14 103.25,67.56 v1(103.64,67.96) ; v1(116.3,64.01) 116.18,63.9 UM3.32 ; 87.36,56.24 88.87,57.75 88.87,58.57 90.27,59.97 v1(90.35,59.97) ; v1(112.92,61.62) 112.92,61.67 112.71,61.87 112.71,62.38 112.84,62.51 112.84,62.56 112.99,62.71 UM1.H4 ; v1(103.43,69.37) 103.43,70.21 102.84,70.79 102.03,70.79 101.63,71.19 UM2.P9
  L4 w0.114: v1(103.64,67.96) 103.43,68.17 v1(103.43,69.37) ; v1(90.35,59.97) 90.25,60.07 90.03,60.07 89.92,59.95 89.92,59.57 90.05,59.44 91.21,59.44 91.33,59.55 91.33,60.1 91.44,60.21 91.67,60.21 91.79,60.1 91.79,59.55 91.9,59.44 100,59.44 101.62,61.05 v1(104.76,61.05) 104.76,61.27 106.5,63.01 110.29,63.01 110.41,62.9 110.41,62.46 110.52,62.34 110.75,62.34 110.87,62.46 110.87,62.9 110.98,63.01 111.53,63.01 111.7,62.84 111.7,62.68 111.61,62.59 111.61,62.38 111.72,62.27 111.93,62.27 112.02,62.36 112.18,62.36 v1(112.92,61.62) 113,61.54 113.82,61.54 v1(116.3,64.01)
NDQ4: length 63.5
  TOP w0.076: 112.65,62.59 112.74,62.8 112.74,63 112.91,63.41 UM1.J4 ; U1.P27 85.12,51.94 86.3,53.12 86.3,53.68 86.67,54.05 86.67,54.89 89.56,57.78
  TOP w0.102: v1(100.81,60.93) 101.07,61.19 UM2.D9
  TOP w0.114: v1(116.35,68.07) 116.16,68.07 115.84,68.4 UM3.41 ; v1(104.79,71.61) 105.18,71.21 UM2.P5 ; 89.56,57.78 89.56,57.97 90.57,58.98 90.63,58.98 91.54,59.9 91.54,61.35 92.1,61.91 v1(92.1,62) ; 112.65,62.59 112.51,62.45 112.51,61.17 v1(112.15,60.81)